# Altium PCB TTL Clock.PcbDoc (part 2 of 2)
Units mm, origin at the board's own origin, x right, y up, seen from the top; angles counter-clockwise.
Board outline 121.67 x 90.17 mm, 2 copper layers (Top Layer, Bottom Layer), stack 1.571 mm thick; 141 components, 151 nets, 625 pads, 107 vias.
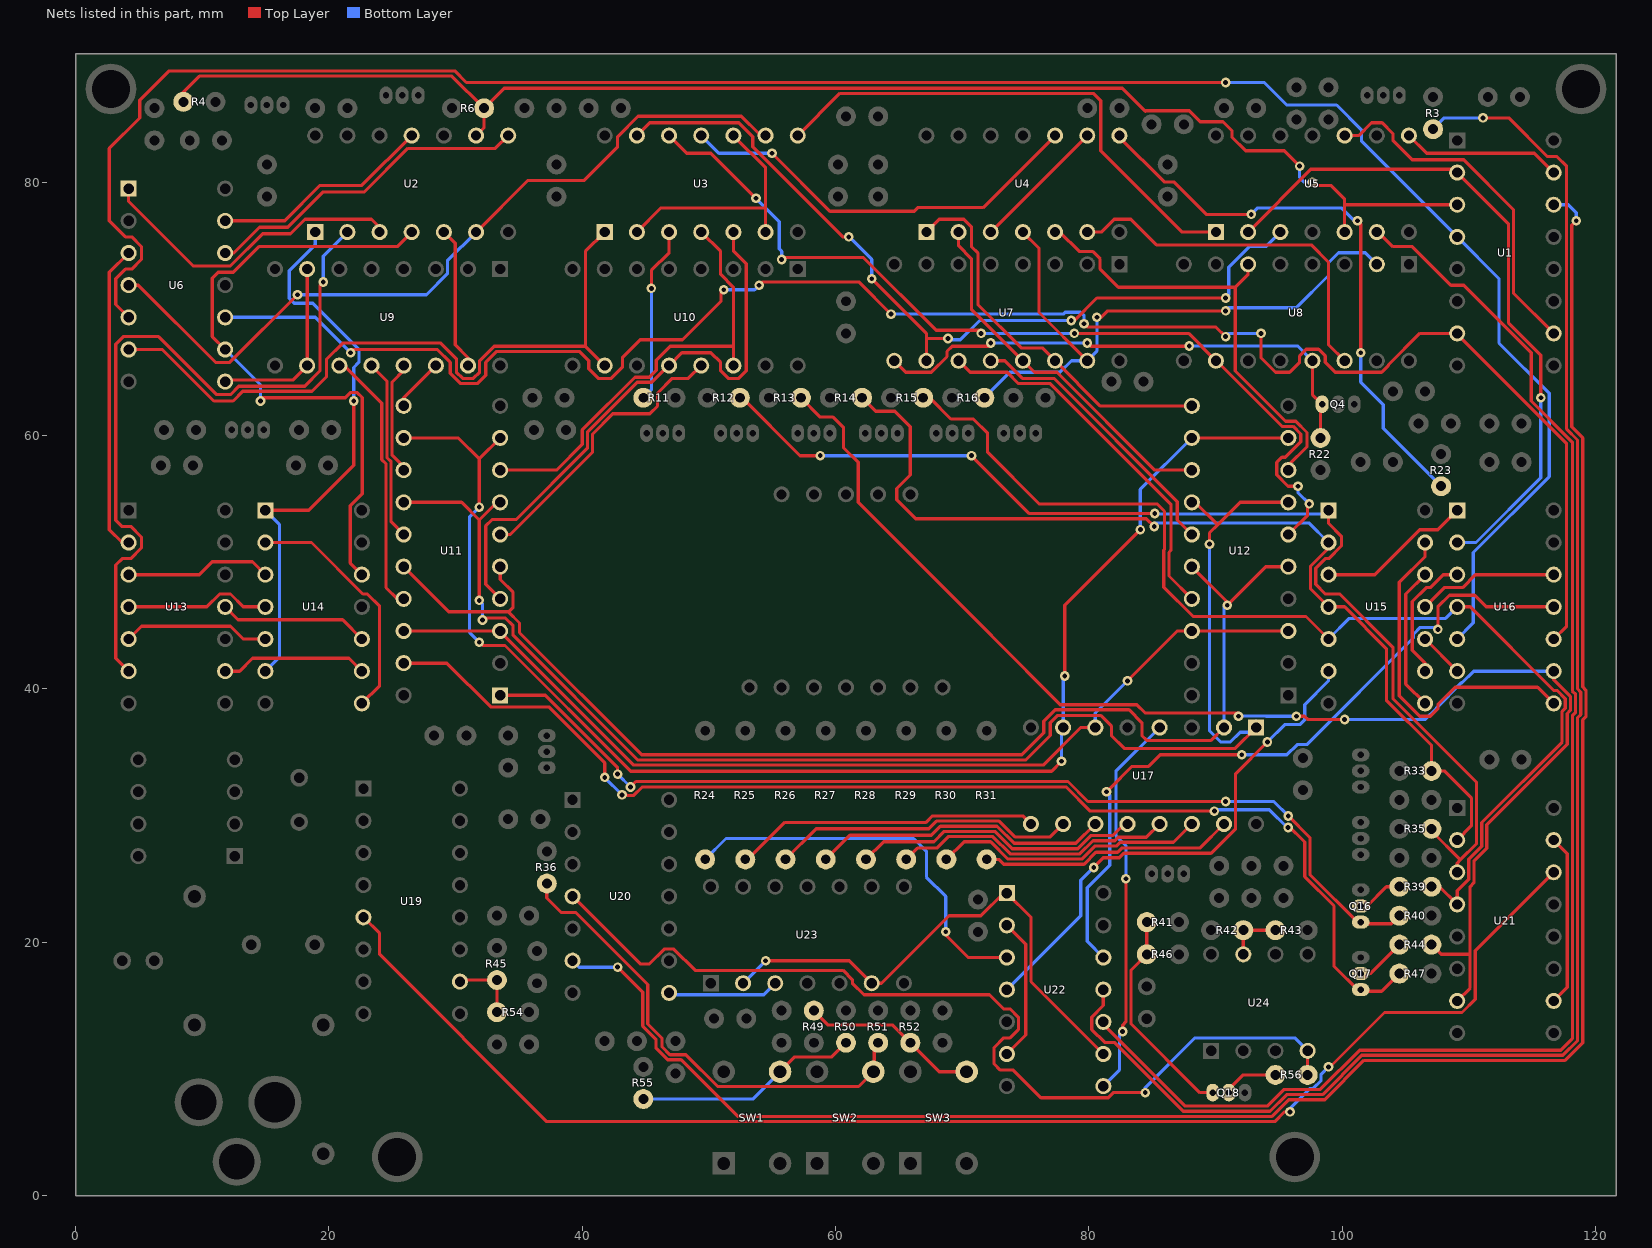
[diagram p2: the nets of this part, all layers, seen from the top]

## Via types
v1: diameter 0.762, hole 0.381, Top Layer to Bottom Layer, 107 vias

## Nets (pads, with @x,y where several pads share a name; then routed paths per layer and width w, separated by ;. In a path a pad name is that pad's centre, name@x,y a point inside that pad or via, vN(x,y) a via of type N, cw(c..) or ccw(c..) an arc to the next point about the centre after c; other vN are vias at no path point) (continued)
NetQ16_1: Q16.1 R40.2 U11.1 | length 81.1
  Top Layer w0.254: U11.1@33.528,39.497 37.084,39.497 42.799,33.782 v1(42.799,33.274) ; v1(43.815,32.258) 44.247,32.69 78.359,32.69 79.934,31.115 81.833,31.115 v1(90.805,31.115) ; v1(95.758,29.972) 97.46,28.27 97.46,25.349 101.346,21.463 103.886,21.463 R40.2@104.521,22.098
  Bottom Layer w0.254: v1(42.799,33.274) v1(43.815,32.258) ; v1(90.805,31.115) 94.615,31.115 v1(95.758,29.972)
NetQ16_2: Q16.2 R39.1 | length 3.7
  Top Layer w0.254: Q16.2@101.6,23.241 101.981,22.86 103.505,24.384 R39.1@104.521,24.384
NetQ17_1: Q17.1 R47.2 U11.19 | length 95.9
  Top Layer w0.254: U11.19@25.908,42.037 29.323,42.037 32.777,38.583 37.363,38.583 41.783,34.163 v1(41.783,33.02) ; v1(43.145,31.635) 43.26,31.75 43.389,31.75 43.541,31.598 44.089,31.598 44.749,32.258 78.216,32.258 80.121,30.353 v1(89.916,30.353) ; v1(95.738,29.058) 95.758,29.077 95.758,29.21 97.053,27.915 97.053,25.181 99.365,22.869 99.365,18.11 101.346,16.129 103.124,16.129 R47.2@104.521,17.526
  Bottom Layer w0.254: v1(41.783,33.02) 41.783,32.997 v1(43.145,31.635) ; v1(89.916,30.353) 90.018,30.455 94.259,30.455 95.656,29.058 v1(95.738,29.058)
NetQ17_2: Q17.2 R44.1 | length 4
  Top Layer w0.254: Q17.2@101.6,17.907 101.981,17.526 102.235,17.526 R44.1@104.521,19.812
NetQ18_1: Q18.1 R41.1 R46.2 | length 17.2
  Top Layer w0.254: R41.1@84.582,21.59 R46.2@84.582,19.05 83.337,17.805 83.337,13.564 88.773,8.128 Q18.1@89.789,8.128
NetQ18_2: Q18.2 R56.1 | length 4.4
  Top Layer w0.254: Q18.2@91.059,8.128 91.059,8.382 92.202,9.525 R56.1@94.742,9.525
NetR3_2: R3.2 U22.11 | length 129
  Top Layer w0.254: U22.11@81.153,16.256 81.153,15.009 80.239,14.095 80.239,13.106 81.255,12.09 82.017,12.09 87.452,6.655 94.31,6.655 95.631,7.976 98.46,7.976 101.559,11.074 117.44,11.074 118.593,12.227 118.593,37.724 118.847,37.978 118.847,39.746 118.593,40 118.593,59.655 117.729,60.519 117.729,81.28 116.967,82.042 116.205,82.042 113.157,85.09 v1(111.125,85.09)
  Bottom Layer w0.254: R3.2@107.188,84.201 108.077,85.09 v1(111.125,85.09)
NetR11_2: R11.2 U3.3 | length 14.2
  Top Layer w0.254: v1(45.466,71.628) 45.695,71.628 45.466,71.857 45.466,73.048 46.863,74.445 U3.3@46.863,76.073
  Bottom Layer w0.254: R11.2@44.831,62.992 45.466,63.627 v1(45.466,71.628)
NetR12_2: R12.2 R35.2 U15.1 U21.3 | length 90.4
  Top Layer w0.254: R12.2@52.451,62.992 52.627,62.992 57.199,58.42 v1(58.801,58.42) ; v1(70.739,58.42) 75.311,53.848 v1(85.217,53.848) ; U15.1@98.933,54.102 98.933,53.086 99.949,52.07 99.949,51.285 98.956,50.292 98.679,50.292 97.917,49.53 97.917,48.26 98.679,47.498 99.822,47.498 104.013,43.307 104.013,39.247 110.617,32.643 110.617,27.769 109.347,26.499 ; R35.2@107.061,28.956 107.061,28.785 109.347,26.499 ; U21.3@109.093,25.527 109.093,26.245 109.347,26.499
  Bottom Layer w0.254: v1(58.801,58.42) v1(70.739,58.42) ; v1(85.217,53.848) 85.471,53.848 85.496,53.823 98.654,53.823 U15.1@98.933,54.102
NetR13_2: R13.2 R44.2 U16.9 U21.7 | length 108.4
  Top Layer w0.254: R13.2@57.277,62.992 58.801,61.468 59.817,61.468 60.63,60.655 60.63,59.064 61.798,57.896 61.798,54.728 72.339,44.187 72.339,44.179 77.757,38.76 83.795,38.76 84.455,38.1 91.821,38.1 v1(91.821,37.846) v1@91.821,37.592 ; v1(96.393,37.846) 97.028,37.846 97.282,37.592 v1(100.203,37.592) ; R44.2@107.061,19.812 107.823,19.05 110.109,19.05 ; U21.7@109.093,15.367 110.109,16.383 110.109,19.05 ; U16.9@116.713,41.402 116.713,40.73 118.034,39.409 118.034,38.315 117.78,38.061 117.78,35.636 111.43,29.286 111.43,27.416 110.414,26.4 110.414,24.702 110.109,24.397 110.109,19.05
  Bottom Layer w0.254: v1(91.821,37.846) 91.846,37.871 93.969,37.871 93.994,37.846 v1(96.393,37.846) ; v1(100.203,37.592) 106.576,37.592 107.467,38.483 107.467,38.53 109.425,40.488 109.472,40.488 110.386,41.402 U16.9@116.713,41.402
NetR14_2: R14.2 R33.1 U15.2 U15.4 U21.2 | length 78.9
  Top Layer w0.254: R14.2@62.611,62.992 R14.2@62.103,62.992 63.17,61.925 64.694,61.925 65.913,60.706 65.913,56.896 64.846,55.829 64.846,54.93 66.335,53.442 84.557,53.442 v1(85.166,52.832) ; U15.4@98.933,46.99 U15.4@98.933,46.482 ; U15.2@98.933,51.562 98.933,51.121 97.511,49.698 97.511,47.904 U15.4@98.933,46.482 ; U21.2@109.093,28.067 110.211,29.185 110.211,31.394 108.077,33.528 R33.1@107.061,33.528 107.061,35.56 103.505,39.116 103.505,43.18 100.203,46.482 U15.4@98.933,46.482
  Bottom Layer w0.254: v1(85.166,52.832) 85.166,52.984 85.293,53.111 97.384,53.111 U15.2@98.933,51.562
NetR15_2: R15.2 R39.2 U15.5 U16.4 U21.4 | length 89.5
  Top Layer w0.254: R15.2@66.929,62.992 67.437,62.992 69.113,61.316 70.891,61.316 72.009,60.198 72.009,58.674 76.073,54.61 85.389,54.61 85.979,54.02 85.979,51.003 85.928,50.952 85.928,48.034 88.242,45.72 97.155,45.72 U15.5@98.933,43.942 ; R39.2@107.061,24.384 107.696,24.384 U21.4@109.093,22.987 109.093,24.065 110.007,24.979 110.007,26.568 111.023,27.584 111.023,29.454 117.373,35.804 117.373,38.229 117.627,38.483 117.627,39.241 116.99,39.878 116.713,39.878 110.109,46.482 U16.4@109.093,46.482
  Bottom Layer w0.254: U15.5@98.933,43.942 100.559,45.568 108.179,45.568 U16.4@109.093,46.482
NetR16_2: R16.2 U4.4 U7.15 U8.2 | length 50.5
  Top Layer w0.254: U4.4@74.803,76.073 76.073,74.803 76.073,69.723 U7.15@79.883,65.913 ; v1(80.645,69.342) 81.001,69.342 81.509,69.85 v1(90.805,69.85)
  Bottom Layer w0.254: R16.2@71.755,62.992 73.762,64.999 77.722,64.999 78.636,65.913 U7.15@79.883,65.913 80.645,66.675 v1(80.645,69.342) ; v1(90.805,69.85) 91.059,70.104 96.393,70.104 98.933,72.644 98.933,73.66 99.72,74.447 101.829,74.447 U8.2@102.743,73.533
NetR23_2: R23.2 U4.8 | length 45.8
  Top Layer w0.254: U4.8@82.423,83.693 82.423,83.565 85.952,80.035 86.717,80.035 89.282,77.47 v1(92.837,77.47) ; v1(101.219,76.962) 101.473,76.708 v1(101.473,66.548)
  Bottom Layer w0.254: v1(92.837,77.47) 93.345,77.978 99.949,77.978 100.965,76.962 v1(101.219,76.962) ; v1(101.473,66.548) 101.473,64.227 103.251,62.449 103.251,60.579 R23.2@107.823,56.007
NetR24_1: R24.1 U22.3 | length 31.4
  Top Layer w0.254: v1(68.707,20.828) 68.707,20.574 70.485,18.796 U22.3@73.533,18.796
  Bottom Layer w0.254: R24.1@49.708,26.543 51.359,28.194 66.167,28.194 67.183,27.178 67.183,25.146 68.707,23.622 v1(68.707,20.828)
NetR25_1: R25.1 U17.9 | length 24.2
  Top Layer w0.254: R25.1@52.883,26.543 53.086,26.543 56.007,29.464 67.153,29.464 67.661,29.972 74.803,29.972 U17.9@75.438,29.337
NetR26_1: R26.1 U17.10 | length 24.1
  Top Layer w0.254: R26.1@56.058,26.543 58.471,28.956 67.363,28.956 67.973,29.566 72.923,29.566 74.168,28.321 76.962,28.321 U17.10@77.978,29.337
NetR27_1: R27.1 U17.11 | length 23.6
  Top Layer w0.254: R27.1@59.233,26.543 61.138,28.448 67.574,28.448 68.285,29.159 72.755,29.159 74.101,27.813 78.981,27.813 80.505,29.337 U17.11@80.518,29.337
NetR28_1: R28.1 U17.12 | length 22.9
  Top Layer w0.254: R28.1@62.408,26.543 63.805,27.94 67.784,27.94 68.597,28.753 72.587,28.753 73.958,27.381 79.124,27.381 80.165,28.423 81.877,28.423 82.791,29.337 U17.12@83.058,29.337
NetR29_1: R29.1 U17.13 | length 22.3
  Top Layer w0.254: R29.1@65.583,26.543 66.472,27.432 67.994,27.432 68.909,28.346 72.418,28.346 73.79,26.975 79.292,26.975 80.334,28.016 82.045,28.016 82.324,28.296 84.557,28.296 U17.13@85.598,29.337
NetR30_1: R30.1 U17.14 | length 21.7
  Top Layer w0.254: R30.1@68.758,26.543 70.155,27.94 72.25,27.94 73.622,26.568 79.461,26.568 80.502,27.61 82.213,27.61 82.493,27.889 86.69,27.889 U17.14@88.138,29.337
NetR31_1: R31.1 U17.15 | length 20.2
  Top Layer w0.254: R31.1@71.933,26.543 72.902,26.543 73.283,26.162 79.629,26.162 80.569,27.102 82.28,27.102 82.61,27.432 88.773,27.432 U17.15@90.678,29.337
NetR36_1: R36.1 R51.2 SW2.2 | length 38.8
  Top Layer w0.254: R36.1@37.465,24.536 37.211,24.282 37.211,23.495 38.354,22.352 39.497,22.352 45.187,16.662 45.187,13.548 46.304,12.43 46.304,11.75 46.929,11.125 48.182,11.125 50.697,8.611 61.824,8.611 SW2.2@62.992,9.779 SW2.2@63.055,9.842 ; SW2.2@63.055,9.779 SW2.2@63.055,9.842 ; SW2.2@63.373,10.16 SW2.2@63.055,9.842 ; R51.2@63.373,12.065 63.055,11.747 SW2.2@63.055,9.842
NetR42_1: R42.1 R43.2 U24.7 | length 4.7
  Top Layer w0.254: U24.7@92.202,19.05 R42.1@92.202,20.955 94.107,20.955 R43.2@94.742,21.59
NetR45_1: R45.1 R54.2 U19.10 | length 5.1
  Top Layer w0.254: U19.10@30.734,17.018 R45.1@33.274,17.018 R54.2@33.274,14.478
NetR49_1: R49.1 R52.2 SW3.2 | length 14.1
  Top Layer w0.254: R49.1@58.293,14.605 59.436,13.462 64.516,13.462 R52.2@65.913,12.065 68.199,9.779 SW3.2@70.358,9.779
NetR50_2: R50.2 R55.1 SW1.2 | length 17.8
  Top Layer w0.254: SW1.2@55.626,9.779 56.794,10.947 59.715,10.947 R50.2@60.833,12.065
  Bottom Layer w0.254: R55.1@44.831,7.62 53.467,7.62 SW1.2@55.626,9.779
NetR56_2: R56.2 U20.4 U24.4 | length 75.4
  Top Layer w0.254: U20.4@39.243,23.622 44.577,18.288 45.316,18.288 46.484,19.456 47.242,19.456 48.918,17.78 60.602,17.78 61.341,17.041 61.341,16.764 62.255,15.85 72.161,15.85 73.279,14.732 73.81,14.732 74.447,14.095 74.447,13.106 73.787,12.446 73.279,12.446 72.517,11.684 72.517,10.414 73.025,9.906 74.041,9.906 76.225,7.722 81.532,7.722 81.938,8.128 v1(84.455,8.128) ; R56.2@97.282,9.525 U24.4@97.282,11.43
  Bottom Layer w0.254: v1(84.455,8.128) 84.455,8.509 88.392,12.446 96.266,12.446 U24.4@97.282,11.43
NetU1_2: U1.2 U5.2 U16.2 | length 54.2
  Top Layer w0.254: U5.2@92.583,76.073 97.536,81.026 108.839,81.026 U1.2@109.093,80.772 113.132,76.733 113.132,68.926 115.697,66.361 v1(115.697,62.992)
  Bottom Layer w0.254: U16.2@109.093,51.562 110.579,51.562 115.697,56.68 v1(115.697,62.992)
NetU1_4: U1.4 U6.5 U16.5 | length 169.7
  Top Layer w0.254: U6.5@4.191,69.342 3.175,70.358 3.175,72.39 3.937,73.152 4.445,73.152 5.207,73.914 5.207,74.93 4.445,75.692 3.937,75.692 2.667,76.962 2.667,82.677 5.073,85.083 5.073,86.48 7.391,88.798 29.947,88.798 30.861,87.884 v1(90.805,87.884)
  Bottom Layer w0.254: v1(90.805,87.884) 93.853,87.884 95.631,86.106 99.568,86.106 101.544,84.13 101.544,83.241 U1.4@109.093,75.692 112.395,72.39 112.395,67.31 116.357,63.348 116.357,56.766 110.363,50.772 110.363,45.212 U16.5@109.093,43.942
NetU1_7: U1.7 U6.10 U16.10 | length 143.6
  Top Layer w0.254: v1(21.717,66.548) 21.717,66.802 28.575,66.802 29.591,65.786 29.591,64.917 30.399,64.11 31.725,64.11 32.385,64.77 32.385,65.786 33.249,66.65 39.776,66.65 40.513,65.913 40.513,65.278 41.275,64.516 42.291,64.516 43.18,65.405 43.18,66.167 44.577,67.564 47.924,67.564 50.952,70.592 50.952,71.298 v1(51.181,71.526) ; v1(53.975,71.882) 54.229,72.136 61.849,72.136 v1(64.389,69.596) ; v1(79.629,68.834) 79.883,68.58 90.043,68.58 v1(90.805,67.818) ; v1(93.599,68.072) 93.599,66.144 94.744,64.999 95.86,64.999 96.647,65.786 96.647,66.294 97.18,66.827 98.146,66.827 98.679,66.294 98.679,65.786 99.466,64.999 103.122,64.999 103.657,65.534 103.657,65.581 106.149,68.072 U1.7@109.093,68.072 109.093,68.005 117.729,59.369 117.729,44.958 U16.10@116.713,43.942
  Bottom Layer w0.254: U6.10@11.811,69.342 18.923,69.342 v1(21.717,66.548) ; v1(51.181,71.526) 53.619,71.526 v1(53.975,71.882) ; v1(64.389,69.596) 77.978,69.596 78.13,69.748 79.35,69.748 79.629,69.469 v1(79.629,68.834) ; v1(90.805,67.818) 91.059,68.072 v1(93.599,68.072)
NetU1_10: U1.10 U5.10 | length 28
  Top Layer w0.254: U5.10@100.203,83.693 101.306,83.693 102.322,84.709 103.164,84.709 104.013,83.86 104.013,83.312 105.537,81.788 109.601,81.788 113.538,77.851 113.538,71.247 U1.10@116.713,68.072
NetU1_14: U1.14 U20.6 | length 157.8
  Top Layer w0.254: v1(42.799,18.034) 44.78,16.053 44.78,13.379 45.821,12.338 45.821,11.658 46.761,10.719 47.813,10.719 52.283,6.248 94.479,6.248 95.799,7.569 98.628,7.569 101.727,10.668 117.608,10.668 118.999,12.059 118.999,37.556 119.253,37.81 119.253,39.914 118.999,40.168 118.999,59.823 118.135,60.687 118.135,76.606 v1(118.491,76.962) v1@118.491,76.708
  Bottom Layer w0.254: U20.6@39.243,18.542 39.751,18.034 v1(42.799,18.034) ; U1.14@116.713,78.232 117.856,78.232 118.491,77.597 v1(118.491,76.962)
NetU1_15: U1.15 U5.8 | length 12.6
  Top Layer w0.254: U5.8@105.283,83.693 106.68,82.296 115.189,82.296 U1.15@116.713,80.772
NetU2_1: U2.1 U14.1 U14.6 | length 44.7
  Top Layer w0.254: U14.1@14.986,54.102 18.415,54.102 21.971,57.658 v1(21.971,62.738)
  Bottom Layer w0.254: U14.6@14.986,41.402 16.098,42.514 16.098,52.99 U14.1@14.986,54.102 ; U2.1@18.923,76.073 18.923,75.08 16.866,73.023 16.866,70.846 17.252,70.46 18.739,70.46 22.377,66.822 22.377,65.788 21.971,65.382 v1(21.971,62.738)
NetU2_2: U2.2 U13.6 | length 59.6
  Top Layer w0.254: U13.6@4.191,41.402 3.175,42.418 3.175,49.784 3.683,50.292 4.358,50.292 5.207,51.141 5.207,51.983 4.358,52.832 3.652,52.832 3.175,53.309 3.175,67.223 3.77,67.818 6.56,67.818 11.132,63.246 12.232,63.246 12.892,63.906 18.099,63.906 19.304,65.111 19.304,71.882 v1(19.558,72.136)
  Bottom Layer w0.254: v1(19.558,72.136) 19.558,74.168 U2.2@21.463,76.073
NetU2_3: U2.3 U6.1 | length 25.6
  Top Layer w0.254: U6.1@4.191,79.502 4.191,78.486 9.271,73.406 12.232,73.406 14.772,75.946 16.974,75.946 18.117,77.089 23.368,77.089 24.384,76.073 U2.3@24.003,76.073
NetU2_4: U2.4 U6.9 U14.12 | length 51.9
  Top Layer w0.254: U6.9@11.811,66.802 10.795,67.818 10.795,72.43 11.263,72.898 12.446,72.898 14.478,74.93 25.4,74.93 U2.4@26.543,76.073 ; v1(14.605,62.738) 14.605,62.992 21.291,62.992 21.697,63.398 22.245,63.398 22.631,63.012 22.631,55.421 21.692,54.481 21.692,49.936 U14.12@22.606,49.022
  Bottom Layer w0.254: U6.9@11.811,66.802 14.605,64.008 v1(14.605,62.738)
NetU2_5: U2.5 U9.15 | length 11.3
  Top Layer w0.254: U2.5@29.083,76.073 29.972,75.184 29.972,67.183 30.988,66.167 U9.15@30.988,65.532
NetU2_6: U2.6 U3.9 U6.4 | length 62.6
  Top Layer w0.254: U6.4@4.191,71.882 4.953,71.882 11.049,65.786 12.192,65.786 v1(17.526,71.12) ; U2.6@31.623,76.073 35.687,80.137 40.132,80.137 42.799,82.804 42.799,83.606 44.41,85.217 52.574,85.217 53.975,83.816 53.975,83.693 U3.9@54.483,83.693
  Bottom Layer w0.254: v1(17.526,71.12) 27.709,71.12 29.362,72.773 29.362,73.812 U2.6@31.623,76.073
NetU2_8: U2.8 U6.12 | length 26.2
  Top Layer w0.254: U6.12@11.811,74.422 12.49,74.422 14.522,76.454 16.764,76.454 19.558,79.248 22.816,79.248 26.245,82.677 33.147,82.677 U2.8@34.163,83.693
NetU2_11: U2.11 U6.13 | length 17.5
  Top Layer w0.254: U6.13@11.811,76.962 16.51,76.962 19.304,79.756 22.606,79.756 U2.11@26.543,83.693
NetU3_1: U3.1 U6.6 U10.10 | length 55.6
  Top Layer w0.254: U6.6@4.191,66.802 6.858,66.802 10.922,62.738 12.442,62.738 13.204,63.5 18.669,63.5 19.812,64.643 19.812,66.04 21.082,67.31 28.829,67.31 30.074,66.065 30.074,65.01 30.567,64.516 31.409,64.516 31.902,65.01 31.902,65.911 33.048,67.056 40.259,67.056 ; U10.10@41.783,65.532 40.259,67.056 ; U3.1@41.783,76.073 40.259,74.549 40.259,67.056
NetU3_2: U3.2 U3.6 U3.10 | length 19.6
  Top Layer w0.254: U3.2@44.323,76.073 46.228,77.978 54.483,77.978 ; U3.10@51.943,83.693 54.483,81.153 54.483,77.978 ; U3.6@54.483,76.073 54.483,77.978
NetU3_4: U3.4 U10.14 U11.8 | length 35.2
  Top Layer w0.254: U11.8@33.528,57.277 37.973,57.277 40.005,59.309 40.005,60.452 44.171,64.618 45.314,64.618 45.847,65.151 45.847,65.953 46.95,67.056 51.943,67.056 ; U3.4@49.403,76.073 50.927,74.549 50.927,72.731 51.943,71.715 51.943,67.056 ; U10.14@51.943,65.532 51.943,67.056
NetU3_5: U3.5 U10.12 U11.4 | length 46.2
  Top Layer w0.254: U11.4@33.528,47.117 32.385,48.26 32.385,52.872 32.893,53.38 34.794,53.38 40.411,58.997 40.411,60.284 44.339,64.211 45.482,64.211 U10.12@46.833,65.562 ; U10.12@46.863,65.449 U10.12@46.863,65.532 47.879,66.548 50.165,66.548 50.927,65.786 50.927,65.111 51.522,64.516 52.364,64.516 52.959,65.111 52.959,73.573 51.943,74.589 U3.5@51.943,76.073
NetU3_8: U3.8 U5.1 | length 41.2
  Top Layer w0.254: U3.8@57.023,83.693 60.35,87.02 80.367,87.02 80.95,86.438 80.95,82.498 87.375,76.073 U5.1@90.043,76.073
NetU3_11: U3.11 U4.10 | length 32.9
  Top Layer w0.254: v1(54.991,82.296) 59.563,77.724 66.227,77.724 66.507,78.003 71.653,78.003 U4.10@77.343,83.693
  Bottom Layer w0.254: U3.11@49.403,83.693 50.8,82.296 54.379,82.296 v1(54.991,82.296)
NetU3_12: U3.12 U8.10 U12.6 | length 73.2
  Top Layer w0.254: U3.12@46.863,83.693 48.26,82.296 50.165,82.296 v1(53.721,78.74) ; v1(55.753,73.914) 55.753,74.143 55.829,74.066 62.205,74.066 67.945,68.326 71.501,68.326 v1(71.501,68.072) ; v1(78.867,68.072) 87.884,68.072 U8.10@90.043,65.913 ; U8.10@90.043,65.703 U8.10@90.043,65.913 ; U12.6@95.758,52.197 97.282,53.721 97.282,54.356 97.536,54.61 v1(97.409,54.61) ; v1(96.52,56.007) 95.735,56.007 94.844,56.898 94.844,57.887 95.25,58.293 95.527,58.293 96.741,59.506 96.741,60.128 96.137,60.731 95.379,60.731 95.373,60.725 95.276,60.725 90.088,65.913 U8.10@90.043,65.913
  Bottom Layer w0.254: v1(53.721,78.74) 55.558,76.903 55.558,74.744 55.753,74.549 v1(55.753,73.914) ; v1(71.501,68.072) v1(78.867,68.072) ; v1(96.52,56.007) 96.52,55.499 v1(97.409,54.61)
NetU3_13: U3.13 U5.3 U7.10 | length 66.1
  Top Layer w0.254: U3.13@44.323,83.693 45.339,84.709 52.364,84.709 53.467,83.606 53.467,82.804 60.579,75.692 v1@60.833,75.692 ; v1(62.865,72.39) 67.183,68.072 U7.10@67.183,65.913 ; 67.335,67.666 v1(68.891,67.666) ; v1(78.613,69.088) 78.867,69.088 80.645,70.866 v1(90.805,70.866)
  Bottom Layer w0.254: v1(61.047,75.692) 61.087,75.692 62.865,73.914 v1(62.865,72.39) ; v1(68.891,67.666) 68.992,67.564 69.85,67.564 71.374,69.088 v1(78.613,69.088) ; v1(90.805,70.866) 91.059,71.12 91.059,73.302 92.687,74.93 93.98,74.93 U5.3@95.123,76.073
NetU4_1: U4.1 U7.14 U12.11 | length 30.8
  Top Layer w0.254: U4.1@67.183,76.073 68.199,77.089 70.144,77.089 70.739,76.494 70.739,74.934 71.247,74.426 71.247,70.358 74.676,66.929 76.327,66.929 U7.14@77.343,65.913 80.924,62.332 88.138,62.332 U12.11@88.138,62.357
NetU4_2: U4.2 U7.13 U12.13 | length 29.2
  Top Layer w0.254: U4.2@69.723,76.073 69.723,74.995 70.739,73.979 70.739,69.977 U7.13@74.803,65.913 75.717,64.999 77.495,64.999 85.217,57.277 U12.13@88.138,57.277
NetU4_3: U4.3 U4.9 | length 10.8
  Top Layer w0.254: U4.3@72.263,76.073 U4.9@79.883,83.693
NetU4_5: U4.5 U8.6 U12.8 | length 36.6
  Top Layer w0.254: U4.5@77.343,76.073 77.724,76.073 79.248,74.549 80.304,74.549 80.899,73.954 80.899,73.152 82.34,71.711 91.567,71.711 ; U8.6@92.583,73.533 92.583,72.727 91.567,71.711 ; U12.8@95.758,57.277 95.758,57.658 97.231,59.131 97.231,60.249 96.342,61.138 95.535,61.138 91.567,65.106 91.567,71.711
NetU4_6: U4.6 U8.14 | length 29.2
  Top Layer w0.254: U4.6@79.883,76.073 80.986,76.073 82.002,77.089 83.312,77.089 85.344,75.057 97.576,75.057 98.933,73.7 98.933,67.183 U8.14@100.203,65.913
NetU5_6: U5.6 U22.10 | length 114
  Top Layer w0.254: U22.10@81.153,13.716 81.153,13.529 87.621,7.061 94.102,7.061 95.422,8.382 98.292,8.382 101.39,11.481 117.272,11.481 118.186,12.395 118.186,37.893 118.44,38.147 118.44,39.577 118.186,39.831 118.186,59.487 114.935,62.738 114.935,66.548 109.601,71.882 108.599,71.882 105.551,74.93 104.013,74.93 102.87,76.073 U5.6@102.743,76.073
NetU6_3: U6.3 U13.2 | length 24.4
  Top Layer w0.254: U13.2@4.191,51.562 3.683,51.562 2.667,52.578 2.667,72.898 U6.3@4.191,74.422
NetU6_8: U6.8 U9.7 U9.10 | length 15
  Top Layer w0.254: U6.8@11.811,64.262 11.938,64.389 17.145,64.389 U9.10@18.288,65.532 ; U9.10@18.288,65.198 U9.10@18.288,65.532 ; U9.7@18.288,73.152 U9.10@18.288,65.532
NetU7_11: U7.11 U12.17 | length 29.7
  Top Layer w0.254: U7.11@69.723,65.913 70.637,64.999 73.562,64.999 74.451,64.11 76.972,64.11 86.487,54.595 86.487,50.936 86.335,50.784 86.335,48.92 U12.17@88.138,47.117
NetU7_12: U7.12 U12.15 | length 22.4
  Top Layer w0.254: U7.12@72.263,65.913 73.366,65.913 74.763,64.516 77.256,64.516 86.995,54.777 86.995,53.34 U12.15@88.138,52.197
NetU9_11: U9.11 U11.17 | length 21
  Top Layer w0.254: U9.11@20.828,65.532 21.209,65.532 24.181,62.56 24.181,58.109 24.511,57.779 24.511,48.006 25.4,47.117 U11.17@25.908,47.117
NetU9_12: U9.12 U11.15 | length 14.4
  Top Layer w0.254: U9.12@23.368,65.532 24.587,64.313 24.587,58.277 24.917,57.947 24.917,53.188 U11.15@25.908,52.197
NetU9_13: U9.13 U11.13 | length 9
  Top Layer w0.254: U11.13@25.908,57.277 25.908,57.531 24.994,58.445 24.994,64.237 25.908,65.151 U9.13@25.908,65.532
NetU9_14: U9.14 U11.11 | length 4.2
  Top Layer w0.254: U11.11@25.908,62.357 25.908,62.992 U9.14@28.448,65.532
NetU10_13: U10.13 U11.6 | length 22.8
  Top Layer w0.254: U11.6@33.528,52.197 34.33,52.197 40.818,58.685 40.818,60.115 42.424,61.722 45.339,61.722 45.949,62.332 45.949,63.348 47.117,64.516 48.387,64.516 U10.13@49.403,65.532
NetU11_3: U11.3 U11.18 U12.3 U12.18 U17.6 | length 79.5
  Top Layer w0.254: U11.18@25.908,44.577 U11.3@33.528,44.577 33.528,44.156 33.905,44.156 44.076,33.985 76.403,33.985 79.375,36.957 U17.6@80.518,36.957 ; v1(83.058,40.64) 86.995,44.577 U12.18@88.138,44.577 U12.3@95.758,44.577
  Bottom Layer w0.254: U17.6@80.518,36.957 80.518,38.1 v1(83.058,40.64)
NetU11_5: U11.5 U11.16 U12.5 U12.16 U17.2 | length 99.7
  Top Layer w0.254: U11.16@25.908,49.657 29.464,46.101 34.159,46.101 ; U11.5@33.528,49.657 33.528,48.641 34.544,47.625 34.544,46.442 34.203,46.101 34.159,46.101 ; U12.16@88.138,49.657 90.932,46.863 v1(90.932,46.609) 93.98,49.657 U12.5@95.758,49.657 ; U17.2@90.678,36.957 89.662,35.941 84.582,35.941 84.201,36.322 84.201,37.338 83.185,38.354 77.343,38.354 76.454,37.465 76.454,36.536 74.716,34.798 44.7,34.798 35.052,44.446 35.052,45.208 34.159,46.101
  Bottom Layer w0.254: U17.2@90.678,36.957 90.678,46.482 90.805,46.609 v1(90.932,46.609)
NetU11_7: U11.7 U11.14 U12.7 U12.14 U17.1 | length 118
  Top Layer w0.254: U11.14@25.908,54.737 30.48,54.737 31.877,53.34 ; v1(31.877,46.99) 31.877,53.34 ; v1(32.131,45.441) 32.283,45.593 33.949,45.593 34.544,44.998 34.544,44.236 44.388,34.392 75.028,34.392 76.962,36.326 76.962,37.338 77.521,37.897 80.975,37.897 81.788,37.084 81.788,36.322 82.804,35.306 91.567,35.306 U17.1@93.218,36.957 ; U11.7@33.528,54.737 33.274,54.737 31.877,53.34 ; U12.14@88.138,54.737 88.392,54.737 90.17,52.959 ; v1(89.535,51.435) 89.535,52.324 90.17,52.959 ; U12.7@95.758,54.737 91.948,54.737 90.17,52.959
  Bottom Layer w0.254: v1(31.877,46.99) 32.131,46.736 v1(32.131,45.441) ; v1(89.535,51.435) 89.535,36.703 90.424,35.814 91.186,35.814 91.95,36.578 92.712,36.578 U17.1@93.218,37.084 ; U17.1@93.218,36.957 U17.1@93.218,37.465
NetU11_9: U11.9 U11.12 U12.9 U12.12 U17.7 | length 112
  Top Layer w0.254: U11.12@25.908,59.817 30.226,59.817 31.877,58.166 ; v1(31.877,43.688) 32.131,43.434 33.909,43.434 43.84,33.503 77.064,33.503 v1(77.851,34.29) ; v1(31.877,54.356) 31.877,58.166 ; U11.9@33.528,59.817 31.877,58.166 ; v1(78.105,41.021) 78.105,46.609 v1(84.074,52.578) ; U12.12@88.138,59.817 U12.9@95.758,59.817
  Bottom Layer w0.254: v1(31.877,43.688) 31.115,44.45 31.115,53.594 v1(31.877,54.356) ; v1(77.851,34.29) 77.851,36.83 U17.7@77.978,36.957 77.978,40.894 v1(78.105,41.021) ; v1(84.074,52.578) 84.074,55.753 U12.12@88.138,59.817
NetU13_3: U13.3 U14.3 | length 11.6
  Top Layer w0.254: U13.3@4.191,49.022 9.779,49.022 10.795,50.038 13.97,50.038 U14.3@14.986,49.022
NetU13_4: U13.4 U14.4 | length 11.6
  Top Layer w0.254: U13.4@4.191,46.482 10.374,46.482 11.39,47.498 12.232,47.498 13.248,46.482 U14.4@14.986,46.482
NetU13_5: U13.5 U14.5 | length 11.6
  Top Layer w0.254: U13.5@4.191,43.942 5.207,44.958 12.232,44.958 13.248,43.942 U14.5@14.986,43.942
NetU13_9: U13.9 U14.9 | length 11.6
  Top Layer w0.254: U13.9@11.811,41.402 12.954,41.402 13.97,42.418 21.59,42.418 U14.9@22.606,41.402
NetU13_11: U13.11 U14.10 | length 11.8
  Top Layer w0.254: U13.11@11.811,46.482 12.827,45.466 21.082,45.466 U14.10@22.606,43.942
NetU14_2: U14.2 U14.8 | length 19.3
  Top Layer w0.254: U14.2@14.986,51.562 18.629,51.562 22.693,47.498 23.027,47.498 24.003,46.522 24.003,40.259 U14.8@22.606,38.862
NetU15_3: U15.3 U16.1 | length 12.3
  Top Layer w0.254: U15.3@98.933,49.022 102.576,49.022 106.132,52.578 107.569,52.578 U16.1@109.093,54.102
NetU15_6: U15.6 U22.4 | length 41.1
  Top Layer w0.254: v1(80.391,25.908) 81.153,26.67 82.423,26.67 82.779,27.026 89.66,27.026 91.592,28.958 91.592,33.299 v1(94.107,35.814)
  Bottom Layer w0.254: U22.4@73.533,16.256 79.375,22.098 79.375,24.892 v1(80.391,25.908) ; v1(94.107,35.814) 95.479,37.186 96.667,37.186 97.053,37.572 97.053,38.76 98.933,40.64 U15.6@98.933,41.402
NetU15_8: U15.8 U15.12 | length 11.4
  Top Layer w0.254: U15.8@106.553,38.862 105.029,40.386 105.029,47.498 U15.12@106.553,49.022
NetU15_9: U15.9 U16.3 | length 10.4
  Top Layer w0.254: U15.9@106.553,41.402 106.553,42.037 105.537,43.053 105.537,46.903 106.64,48.006 106.974,48.006 107.99,49.022 U16.3@109.093,49.022
NetU15_10: U15.10 U16.6 | length 3.6
  Top Layer w0.254: U15.10@106.553,43.942 U16.6@109.093,41.402
NetU15_11: U15.11 U16.12 | length 11.2
  Top Layer w0.254: U15.11@106.553,46.482 108.077,48.006 109.514,48.006 110.53,49.022 U16.12@116.713,49.022
NetU15_13: U15.13 U16.8 | length 27.5
  Top Layer w0.254: U15.13@106.553,51.562 106.553,50.459 104.521,48.427 104.521,39.457 106.132,37.846 106.974,37.846 107.569,38.441 107.569,38.775 108.926,40.132 115.443,40.132 U16.8@116.713,38.862
NetU16_11: U16.11 U22.12 | length 57.3
  Top Layer w0.254: v1(81.407,31.877) v1@81.534,31.877 ; v1@81.661,32.131 83.414,33.884 84.729,33.884 85.643,34.798 v1(92.075,34.798) ; v1(107.569,44.704) 107.569,46.482 108.483,47.396 110.465,47.396 111.379,46.482 U16.11@116.713,46.482
  Bottom Layer w0.254: U22.12@81.153,18.796 79.883,20.066 79.883,24.302 81.661,26.08 v1@81.661,31.623 ; v1(92.075,34.798) 95.646,34.798 96.459,35.611 97.206,35.611 105.639,44.044 105.639,44.321 106.174,44.856 107.417,44.856 v1(107.569,44.704)
NetU17_4: U17.4 U22.8 | length 30.8
  Top Layer w0.254: v1(82.677,12.954) 82.677,13.462 82.931,13.716 v1(82.931,25.019)
  Bottom Layer w0.254: U22.8@81.153,8.636 82.423,9.906 82.423,12.7 v1(82.677,12.954) ; v1(82.931,25.019) 82.931,27.637 82.144,28.425 82.144,33.503 U17.4@85.598,36.957
NetU19_5: U19.5 U21.14 | length 112.6
  Top Layer w0.254: U19.5@22.733,21.971 24.003,20.701 24.003,19.05 37.211,5.842 94.693,5.842 95.455,6.604 v1(95.885,6.604) ; v1(98.933,10.16) 98.933,10.033 103.353,14.453 109.472,14.453 110.515,15.496 110.515,19.329 U21.14@116.713,25.527
  Bottom Layer w0.254: v1(95.885,6.604) 95.885,6.858 97.485,8.458 97.724,8.458 98.349,9.083 98.349,9.576 v1(98.933,10.16)
NetU20_8: U20.8 U23.3 | length 8.9
  Bottom Layer w0.254: U20.8@46.863,16.002 46.863,15.85 54.331,15.85 U23.3@55.245,16.764
NetU21_10: U21.10 U21.15 | length 13.6
  Top Layer w0.254: U21.10@116.713,15.367 117.78,16.434 117.78,27 U21.15@116.713,28.067
NetU22_1: U22.1 U22.9 U23.2 U23.6 | length 41.1
  Top Layer w0.254: v1(54.483,18.542) 61.087,18.542 U23.6@62.865,16.764 63.633,16.764 68.967,22.098 71.486,22.098 73.279,23.891 73.279,23.876 U22.1@73.533,23.876 75.438,21.971 75.438,16.891 U22.9@81.153,11.176
  Bottom Layer w0.254: U23.2@52.705,16.764 v1(54.483,18.542)
NetU22_2: U22.2 U22.6 | length 11.4
  Top Layer w0.254: U22.6@73.533,11.176 75.032,12.675 75.032,19.837 U22.2@73.533,21.336
RSH: Q4.1 R22.2 U7.9 U8.13 | length 42
  Top Layer w0.254: U7.9@64.643,65.913 65.557,64.999 67.562,64.999 68.809,66.245 68.809,66.65 69.215,67.056 72.263,67.056 v1(72.263,67.31) ; v1(79.883,67.31) 80.137,67.056 87.771,67.056 87.941,66.886 v1(87.941,67.081) ; U8.13@97.663,65.913 97.663,63.246 98.298,62.611 R22.2@98.298,59.817
  Bottom Layer w0.254: v1(72.263,67.31) v1(79.883,67.31) ; v1(87.941,67.081) 96.495,67.081 U8.13@97.663,65.913
STATE0: R4.2 R6.2 U1.3 U2.9 U5.5 | length 113.1
  Top Layer w0.254: R4.2@8.509,86.36 8.509,87.122 9.779,88.392 29.718,88.392 R6.2@32.258,85.852 ; U2.9@31.623,83.693 32.258,84.328 R6.2@32.258,85.852 ; v1(96.647,81.28) 95.429,82.498 92.381,82.498 91.313,83.566 91.313,84.074 90.602,84.785 88.808,84.785 87.945,85.649 84.521,85.649 84.47,85.598 82.642,87.427 33.833,87.427 R6.2@32.258,85.852 ; v1(97.651,80.022) 97.917,79.756 99.105,79.756 100.203,78.658 100.203,78.232 ; U5.5@100.203,76.073 100.203,78.232 ; U1.3@109.093,78.232 100.203,78.232
  Bottom Layer w0.254: v1(96.647,81.28) 96.647,80.391 97.016,80.022 v1(97.651,80.022)
pads on no net: J1.3 SW1.3 SW1.4 SW2.3 SW2.4 SW3.3 SW3.4 U1.1 U1.5 U1.6 U1.9 U1.11 U1.12 U4.11 U4.12 U4.13 U5.11 U5.12 U5.13 U8.7 U8.9 U10.11 U10.15 U13.8 U13.10 U13.13 U19.1 U19.2 U19.4 U19.6 U19.7 U19.9 U19.13 U19.14 U19.15 U20.10 U20.11 U20.12 U20.13 U21.1 U21.5 U21.6 U21.9 U21.11 U21.12 U23.5 U23.8 U23.9 U23.10 U23.11 U23.12 U23.13

## Polygon pours and split planes (outlines as drawn)
GND on Bottom Layer "GND" (solid, remove dead copper, pour order 2): 0,90.17 121.666,90.17 121.666,0 0,0

## Keep-outs
Bottom Layer:
  lines w0.254: 121.285,90.17 121.285,90.17
  lines w0.508: 0,0 121.666,0 121.666,90.17 0,90.17 0,0
Keep-Out Layer:
  the board outline again, w0.254

## Silkscreen, mask and mechanical layers (free items; w line width, h text height)
Top Overlay:
  circle w0.254: c2.794,87.376 r2.5
  circle w0.254: c118.872,87.376 r2.5
  circle w0.254: c25.4,3.048 r2.5
  circle w0.254: c96.266,3.048 r2.5
  circle w0.254: c83.185,3.81 r2.84
  circle w0.635: c26.67,7.62 r0.254
  lines w0.254: 17.145,76.454 17.145,77.343 17.653,77.851 ; 22.225,7.62 23.495,7.62 ; 25.4,7.62 24.13,7.62 ; 26.67,7.62 28.575,7.62 ; 27.568,6.722 cw(c26.67,7.62) 27.568,8.518 ; 29.21,7.62 30.48,7.62 ; 29.845,6.985 29.845,8.255 ; 31.115,12.7 31.115,12.954 31.623,13.462 31.623,15.748 32.385,16.51 ; 40.259,75.692 40.259,77.597 40.513,77.851 ; 58.293,84.836 58.293,83.566 59.563,82.296 ; 58.547,71.882 58.547,73.406 59.055,73.914 ; 67.869,61.747 67.869,63.779 ; 76.581,28.448 76.581,31.115 ; 80.645,3.81 81.28,3.81 ; 82.55,4.445 83.185,3.81 83.185,2.54 ; 83.185,1.27 83.185,1.905 ; 83.185,5.715 83.185,6.35 ; 85.09,3.81 85.725,3.81 ; 87.503,13.208 87.503,16.764 88.519,17.78 88.519,20.066 88.773,20.32 ; 87.503,61.214 89.154,61.214 ; 88.265,76.708 88.265,77.343 88.773,77.851 ; 93.345,88.9 93.599,89.154 97.663,89.154 98.425,88.392 ; 98.171,50.292 100.711,50.292 ; 99.949,25.4 100.203,25.146 100.355,24.994 ; 105.029,59.944 105.537,59.944 106.553,58.928 106.807,58.928 ; 105.664,88.392 105.664,88.519 105.791,88.646 106.299,88.646 ; 114.935,82.296 117.475,82.296 ; 24.13,7.62 22.86,8.89 21.59,7.62 22.86,6.35 24.13,7.62 ; 28.575,7.62 29.845,8.89 31.115,7.62 29.845,6.35 28.575,7.62
  text "DC IN" at 3.429,13.081 h1.52
  text "(c) Danius Kalvaitis" at 99.695,6.35 h2.54
  text "14/10/2015" at 105.41,3.81 h2.54
  text "The Clock" at 29.21,2.54 h3.81
  text "REV D" at 72.644,2.54 h2.54
  text "o" at 92.456,-3.556 h12.7
Board Outline:
  the board outline again, w0.254
Sheet:
  lines w0.127: -65.532,-5.842 -60.452,-5.842 ; -65.532,42.418 -60.452,42.418 ; -65.532,90.678 -60.452,90.678 ; 7.493,-54.102 7.493,-49.022 ; 7.493,133.858 7.493,138.938 ; 71.628,-49.022 107.188,-49.022 ; 80.518,-54.102 80.518,-49.022 ; 80.518,133.858 80.518,138.938 ; 107.188,-41.402 221.488,-41.402 ; 107.188,-33.782 221.488,-33.782 ; 107.188,-26.162 145.288,-26.162 ; 145.288,-49.022 145.288,-33.782 145.288,-18.542 ; 153.543,-54.102 153.543,-49.022 ; 153.543,133.858 153.543,138.938 ; 198.628,-49.022 198.628,-33.782 ; 221.488,-5.842 226.568,-5.842 ; 221.488,42.418 226.568,42.418 ; 221.488,90.678 226.568,90.678 ; 107.188,-49.022 221.488,-49.022 ; 107.188,-49.022 107.188,-18.542 145.288,-18.542 ; 145.288,-18.542 221.488,-18.542 221.488,-49.022 ; 221.488,-49.022 -60.452,-49.022 -60.452,133.858 221.488,133.858 221.488,-49.022 ; -65.532,-54.102 226.568,-54.102 226.568,138.938 -65.532,138.938 -65.532,-54.102
  text "1" at -29.286,135.509 h1.78
  text "2" at 43.358,135.509 h1.78
  text "3" at 116.51,135.509 h1.78
  text "4" at 189.408,135.509 h1.78
  text "A" at -63.627,112.497 h1.78
  text "A" at 223.393,112.497 h1.78
  text "B" at -63.627,64.44 h1.78
  text "B" at 223.393,64.44 h1.78
  text "C" at -63.627,15.926 h1.78
  text "C" at 223.393,15.926 h1.78
  text "ENGINEER:" at 108.458,-21.082 h1.14
  text "TITLE:" at 146.558,-21.082 h1.14
  text "Danius Kalvaitis" at 116.586,-23.622 h1.78
  text "PCB DESIGNER:" at 108.458,-28.575 h1.14
  text "The Clock" at 155.448,-28.702 h7.62
  text "Danius Kalvaitis" at 116.586,-32.004 h1.78
  text "D" at -63.627,-32.08 h1.78
  text "D" at 223.393,-32.08 h1.78
  text "DATE:" at 108.458,-36.322 h1.14
  text "PART NO.:" at 146.558,-36.322 h1.14
  text "REV:" at 199.898,-36.322 h1.14
  text "D" at 207.772,-38.608 h1.78
  text "14/10/2015" at 109.728,-39.37 h1.78
  text "FILE NAME:" at 108.458,-43.942 h1.14
  text "DWG NO:" at 146.558,-43.942 h1.14
  text "SCALE:" at 199.898,-43.942 h1.14
  text ".PCB_FILE_NAME_NO_PATH" at 109.728,-46.99 h1.78
  text "1" at -29.286,-52.451 h1.78
  text "2" at 43.358,-52.451 h1.78
  text "3" at 116.51,-52.451 h1.78
  text "4" at 189.408,-52.451 h1.78

## Dimensions
118.872,87.376 to 122.936,91.44 on Dimensions (Mech8)
0,90.17 to 0,0 on Dimensions (Mech8)
0,0 to 121.666,0 on Dimensions (Mech8)
0,90.17 to 2.794,87.376 on Dimensions (Mech8)
0,0 to 2.794,87.376 on Dimensions (Mech8)
0,0 to 96.266,3.048 on Dimensions (Mech8)
0,0 to 25.4,3.048 on Dimensions (Mech8)